# Altium PCB FlatSat Half 2.PcbDoc (part 9 of 9)
Units mil, origin at the board's own origin, x right, y up, seen from the top; angles counter-clockwise.
Board outline 4682 x 11604 mil, 4 copper layers (Top Layer, STR GND 1, STR GND 2, Bottom Layer), stack 33.434 mil thick; 231 components, 255 nets, 990 pads, 1104 vias.
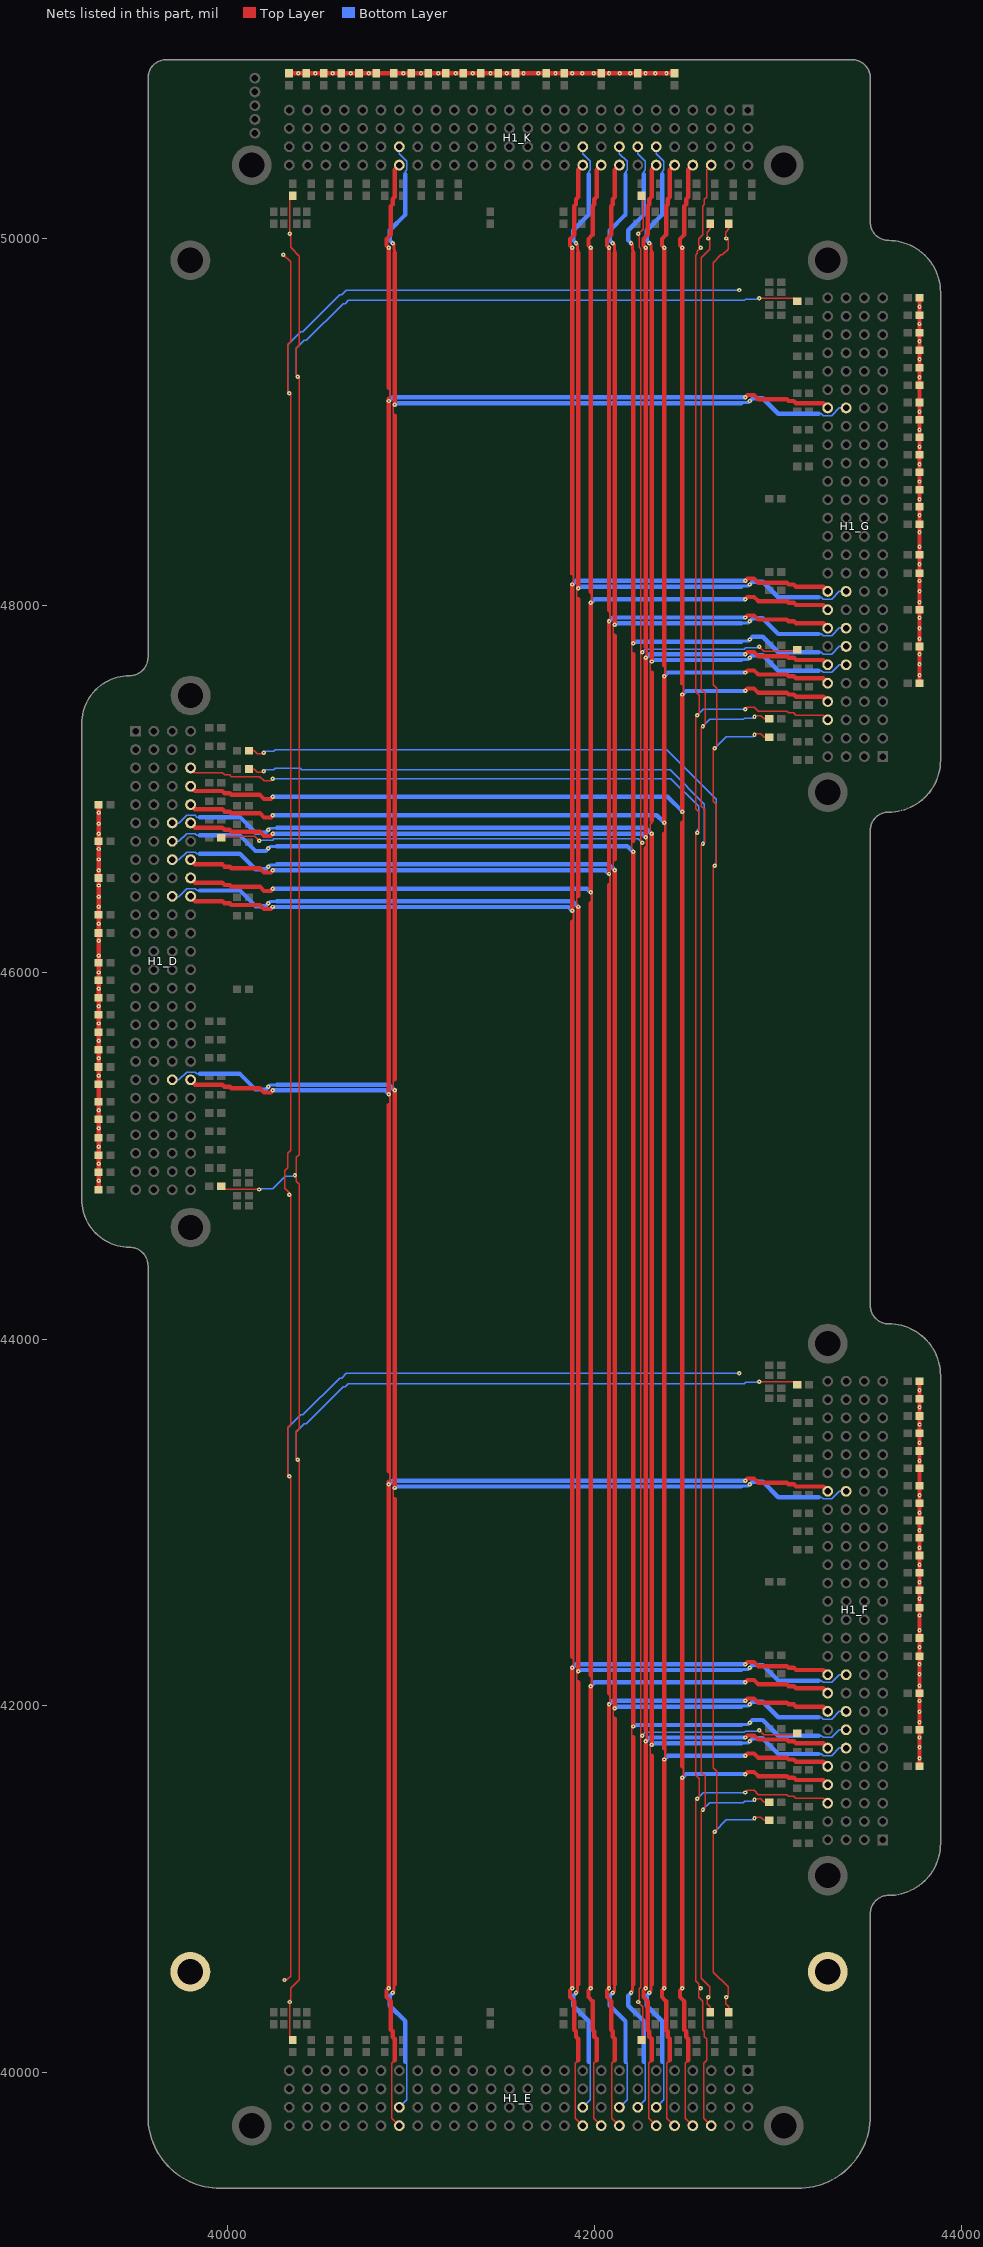
[diagram p11: the nets of this part, all layers, seen from the top]

## Via types
v1: diameter 24, hole 8, Top Layer to Bottom Layer, 1104 vias

## Nets (pads, with @x,y where several pads share a name; then routed paths per layer and width w, separated by ;. In a path a pad name is that pad's centre, name@x,y a point inside that pad or via, vN(x,y) a via of type N, cw(c..) or ccw(c..) an arc to the next point about the centre after c; other vN are vias at no path point) (continued)
RESERVED_8: H1_D.58 H1_E.58 H1_F.58 H1_G.58 H1_K.58 | length 15369.5
  Top Layer w8: H1_D.58@39798,47112 39823,47087 39972,47087 39984,47075 40012.6,47075 40021.6,47066 40177,47066 40200,47043 40236.25,47043 v1@40248.13,47054.87 ; v1(42580,40461) v1@42579.87,40461.13 ; v1(42580,49949) v1@42579.87,49948.87 ; H1_E.58@42637,39712 42595.47,39753.53 42595.47,40052.47 42612,40069 42612,40185 42600,40197 42600,40225.6 42591,40234.6 42591,40390 42568,40413 42568,40449.25 v1@42579.87,40461.13 ; H1_K.58@42637,50399 42612,50374 42612,50225 42600,50213 42600,50184.4 42591,50175.4 42591,50020 42568,49997 42568,49960.75 v1@42579.87,49948.87 ; v1@42822.87,41528.13 42834.75,41540 42871,41540 42894,41517 43049.4,41517 43058.4,41508 43087,41508 43099,41496 43248,41496 H1_F.58@43273,41471 ; v1@42822.87,47433.13 42834.75,47445 42871,47445 42894,47422 43049.4,47422 43058.4,47413 43087,47413 43099,47401 43248,47401 H1_G.58@43273,47376 ; v1@42579.87,40461.13 42568,40473 42568,40484.63 42563.31,40489.31 42563.31,40490.31 42552,40501.63 42552,41487 v1(42560,41495) 42571.25,41506.25 42571.25,41602.94 42552,41622.2 42552,46752 v1(42560,46760) 42569,46769 42569,46873 42552,46890 42552,47392 v1(42560,47400) 42571.25,47411.25 42571.25,47507.94 42552,47527.2 42552,49908.37 42561,49917.37 42561,49930 v1@42579.87,49948.87
  Bottom Layer w8: v1(40248,47055) 42415.88,47055 42568,46902.88 42568,46780.06 42560,46772.06 v1@42560,46761 ; v1(42560,41495) 42593,41528 v1(42823,41528) ; v1(42560,47400) 42593,47433 v1(42823,47433)
SEP_SW1: H1_D.91 H1_E.91 H1_F.91 H1_G.91 H1_K.91 | length 17183.1
  Top Layer w8: 40912,43128 40904,43136 40904,43180 v1(40912,43188) ; v1(40912,45355) 40904,45363 40904,45407 40912,45415 ; 40912,49033 40904,49041 40904,49085 v1(40912,49093)
  Top Layer w16: v1(40900,40436) 40909,40445 40909,40475 40912,40478 40912,40483 ; v1(40900,49974) 40909,49965 40909,49935 40912,49932 40912,49927
  Top Layer w24: 40912,40483 40912,43128 ; v1(40912,43188) v1(40912,45355) ; 40912,45415 40912,49033 ; v1(40912,49093) 40912,49922
  Bottom Layer w8: H1_D.91@39698,45412 39735,45412 39777.53,45454.53 39823.47,45454.53 39833,45445 39848,45445 ; H1_E.91@40937,39812 40978.53,39853.53 40978.53,40052.47 40970,40061 ; H1_K.91@40937,50499 40937,50462 40978.53,50420.47 40978.53,50372.53 40970,50364 40970,50349 ; 43223,43138 43238,43138 43247.53,43128.47 43293.47,43128.47 43336,43171 H1_F.91@43373,43171 ; 43223,49043 43238,49043 43247.53,49033.47 43293.47,49033.47 43336,49076 H1_G.91@43373,49076
  Bottom Layer w16: v1(40223,45375) 40232,45384 40262,45384 ; 40265,45387 40270,45387 ; 42801,43196 42806,43196 ; 42801,49101 42806,49101 ; 42809,43199 42839,43199 v1(42848,43208) ; 42809,49104 42839,49104 v1(42848,49113)
  Bottom Layer w22: 40208,45360 v1(40223,45375) ; 40885,40421 v1(40900,40436) ; 40885,49989 v1(40900,49974) ; v1(42848,43208) 42863,43223 ; v1(42848,49113) 42863,49128
  Bottom Layer w24: 39848,45445 40068,45445 40153,45360 40208,45360 ; 40270,45387 40880,45387 v1(40912,45355) ; 40885,40421 40885,40366 40970,40281 40970,40061 ; 40885,49989 40885,50044 40970,50129 40970,50349 ; v1(40912,43188) 40920,43196 42801,43196 ; v1(40912,49093) 40920,49101 42801,49101 ; 42863,43223 42918,43223 43003,43138 43223,43138 ; 42863,49128 42918,49128 43003,49043 43223,49043
SEP_SW2: H1_D.92 H1_E.92 H1_F.92 H1_G.92 H1_K.92 | length 16761
  Top Layer w8: 40912,40069 40895.47,40052.47 40895.47,39753.53 H1_E.92@40937,39712
  Top Layer w12: 40880,43221 40886,43227 40886,43274 40880,43280 ; 40880,45275 40886,45281 40886,45329 v1(40880,45335) ; 40880,49126 40886,49132 40886,49179 40880,49185
  Top Layer w22: 40177,45366 40200,45343 40236.25,45343 v1@40248.13,45354.87 ; v1@40879.87,40461.13 40868,40449.25 40868,40413 40891,40390 ; v1@40879.87,49948.87 40868,49960.75 40868,49997 40891,50020 ; v1@42822.87,43228.13 42834.75,43240 42871,43240 42894,43217 ; v1@42822.87,49133.13 42834.75,49145 42871,49145 42894,49122
  Top Layer w24: H1_D.92@39798,45412 39823,45387 39972,45387 39984,45375 40012.6,45375 40021.6,45366 40177,45366 ; v1(40880,40461) v1(40880,43208) 40880,43221 ; 40880,43280 40880,45275 ; v1@40880,45345.54 v1(40880,49113) 40880,49126 ; 40880,49185 v1@40880,49944 ; 40891,40390 40891,40234.6 40900,40225.6 40900,40197 40912,40185 40912,40069 ; 40891,50020 40891,50175.4 40900,50184.4 40900,50213 40912,50225 40912,50374 H1_K.92@40937,50399 ; 42894,43217 43049.4,43217 43058.4,43208 43087,43208 43099,43196 43248,43196 H1_F.92@43273,43171 ; 42894,49122 43049.4,49122 43058.4,49113 43087,49113 43099,49101 43248,49101 H1_G.92@43273,49076
  Bottom Layer w24: v1(40248,45355) 40860,45355 v1(40880,45335) ; v1(40880,43208) 40900,43228 v1(42823,43228) ; v1(40880,49113) 40900,49133 v1(42823,49133)
  other v1: 40880,49949
SPI_CLK: R51_A.1 R51_D.1 R51_E.1 R51_F.1 R51_G.1 | length 16569.5
  Top Layer w8: R51_D.1@39965.48,44832 39982.48,44815 v1(40173,44815) ; R51_E.1@40357,40178.48 40340,40195.48 v1(40340,40386) 40340,40395 40345,40400 40345,40460 40392,40507 40392,43341 v1(40384,43341) ; R51_A.1@40357,50231.52 40340,50214.52 v1(40340,50024) 40340,50015 40345,50010 40345,49950 40392,49903 40392,49416.88 40376,49400.88 v1@40376,49254 ; v1(40368,44893) v1@40376,44893 ; v1@40376,43349 40376,43495.88 40392,43511.88 40392,44843.06 40376,44859.06 v1@40376,44893 ; v1(40384,49246) 40392,49246 40392,45005.54 40376,44989.54 v1@40376,44893 ; v1(42898,43768) 43088.52,43768 R51_F.1@43105.52,43751 ; v1(42898,49673) 43088.52,49673 R51_G.1@43105.52,49656
  Bottom Layer w8: v1(40173,44815) 40182,44815 40187,44820 40246.94,44820 40313.94,44887 v1@40360,44887 ; v1@40376,43348 40376,43495.12 40418.88,43538 40429.88,43538 40630.88,43739 40641.82,43739 40658.82,43756 42818.22,43756 42825.22,43763 42884,43763 42889,43768 v1(42898,43768) ; v1@40376,49253 40376,49400.12 40418.88,49443 40429.88,49443 40630.88,49644 40641.82,49644 40658.82,49661 42818.22,49661 42825.22,49668 42884,49668 42889,49673 v1(42898,49673)
STR_GND_A: J40_A.2 J40_D.2 J40_F.2 J40_G.2 J42_A.2 J42_D.2 J42_F.2 J42_G.2 J44_A.2 J44_D.2 J44_F.2 J44_G.2 J45_A.2 J45_D.2 J45_F.2 J45_G.2 J46_A.2 J46_D.2 J46_F.2 J46_G.2 J48_A.2 J48_D.2 J48_F.2 J48_G.2 J50_A.2 J50_D.2 J50_F.2 J50_G.2 J52_A.2 J52_D.2 J52_F.2 J52_G.2 J61_A.1 J61_D.1 J61_F.1 J61_G.1 J66_A.2 J66_D.2 J66_F.2 J66_G.2 J69_A.1 J69_D.1 J69_F.1 J69_G.1 J71_A.1 J71_D.1 J71_F.1 J71_G.1 J74_A.2 J74_D.2 J74_F.2 J74_G.2 J81_A.1 J81_D.1 J81_F.1 J81_G.1 J82_A.2 J82_D.2 J82_F.2 J82_G.2 J83_A.1 J83_D.1 J83_F.1 J83_G.1 J84_A.2 J84_D.2 J84_F.2 J84_G.2 J99_A.1 J99_D.1 J99_F.1 J99_G.1 J100_A.2 J100_D.2 J100_F.2 J100_G.2 pad.7@39798,40551 pad.7@43272,40551 | length 23626.5
  Top Layer w8: v1(40304,49911) 40344,49871 40344,49436.76 40328,49420.76 40328,49164 v1(40336,49156) 40344,49148 40344,45027.63 40328,45011.63 40328,44932.2 40312,44916.2 40312,44822 v1@40341.5,44792.5 ; v1(40311,40506) 40311.94,40506.94 40324.06,40506.94 40344,40526.88 40344,43251 v1(40336,43251) 40328,43251 40328,43515.76 40344,43531.76 40344,44787 v1(40336,44787) ; J52_A.2@40339,50899.48 J52_A.2@40339,50905
  Top Layer w24: J48_D.2@39295.52,45098 J48_D.2@39297.52,45096 ; J52_D.2@39297.52,44813 v1(39297.52,44862) J50_D.2@39297.52,44908 v1(39297.52,44955) J100_D.2@39297.52,45002.66 v1(39297.52,45049) J48_D.2@39297.52,45096 ; J61_D.1@39297.52,46913 v1(39297.52,46869) v1(39297.52,46809) v1(39297.52,46755) J66_D.2@39297.52,46713 v1(39297.52,46671) v1(39297.52,46614) v1(39297.52,46556) J69_D.1@39297.52,46513 v1(39297.52,46472) v1(39297.52,46411) v1(39297.52,46356) J71_D.1@39297.52,46313 v1(39297.52,46264) J74_D.2@39297.52,46213 v1(39297.52,46170) v1(39297.52,46090) J81_D.1@39297.52,46050.56 v1(39297.52,45998) J82_D.2@39297.52,45955.9 v1(39297.52,45910) J83_D.1@39297.52,45861.24 v1(39297.52,45813.92) J84_D.2@39297.52,45766.59 v1(39297.52,45720) J40_D.2@39297.52,45671.93 v1(39297.52,45625) J42_D.2@39297.52,45577.28 v1(39297.52,45531) J44_D.2@39297.52,45482.62 v1(39297.52,45434) J45_D.2@39297.52,45387.97 J46_D.2@39297.52,45293.31 v1(39297.52,45246) J99_D.1@39297.52,45198.66 v1(39297.52,45148) J48_D.2@39297.52,45097.31 J48_D.2@39297.52,45096 ; J52_A.2@40337,50899.48 40339,50899.48 v1(40386,50899.48) J50_A.2@40430.34,50899.48 v1(40479,50899.48) J100_A.2@40525,50899.48 v1(40573,50899.48) J48_A.2@40620,50899.48 ; J48_A.2@40622,50897.48 J48_A.2@40620,50899.48 ; J61_A.1@42437,50899.48 v1(42393,50899.48) v1(42333,50899.48) v1(42279,50899.48) J66_A.2@42237,50899.48 v1(42195,50899.48) v1(42138,50899.48) v1(42080,50899.48) J69_A.1@42037,50899.48 v1(41996,50899.48) v1(41935,50899.48) v1(41880,50899.48) J71_A.1@41837,50899.48 v1(41788,50899.48) J74_A.2@41737,50899.48 v1(41694,50899.48) v1(41614,50899.48) J81_A.1@41569.97,50899.48 v1(41522,50899.48) J82_A.2@41475.31,50899.48 v1(41434,50899.48) J83_A.1@41380.66,50899.48 v1(41337.92,50899.48) J84_A.2@41286,50899.48 v1(41244,50899.48) J40_A.2@41190.31,50899.48 v1(41149,50899.48) J42_A.2@41095.66,50899.48 v1(41055,50899.48) J44_A.2@41001,50899.48 v1(40958,50899.48) J45_A.2@40906.31,50899.48 J46_A.2@40811.66,50899.48 v1(40770,50899.48) J99_A.1@40717,50899.48 v1(40672,50899.48) J48_A.2@40620,50899.48 ; J48_F.2@43770.48,43485 J48_F.2@43772.48,43487 ; J48_G.2@43770.48,49390 J48_G.2@43772.48,49392 ; J61_F.1@43772.48,41670 v1(43772.48,41714) v1(43772.48,41774) v1(43772.48,41828) J66_F.2@43772.48,41870 v1(43772.48,41912) v1(43772.48,41969) v1(43772.48,42027) J69_F.1@43772.48,42070 v1(43772.48,42111) v1(43772.48,42172) v1(43772.48,42227) J71_F.1@43772.48,42270 v1(43772.48,42319) J74_F.2@43772.48,42370 v1(43772.48,42413) v1(43772.48,42493) J81_F.1@43772.48,42536.03 v1(43772.48,42585) J82_F.2@43772.48,42630.69 v1(43772.48,42673) J83_F.1@43772.48,42725.34 v1(43772.48,42769.08) J84_F.2@43772.48,42820 v1(43772.48,42863) J40_F.2@43772.48,42916.07 v1(43772.48,42958) J42_F.2@43772.48,43010.72 v1(43772.48,43052) J44_F.2@43772.48,43105.38 v1(43772.48,43149) J45_F.2@43772.48,43200.03 J46_F.2@43772.48,43294.69 v1(43772.48,43337) J99_F.1@43772.48,43389.34 v1(43772.48,43435) J48_F.2@43772.48,43485.69 J48_F.2@43772.48,43487 ; J52_F.2@43772.48,43770 v1(43772.48,43721) J50_F.2@43772.48,43675 v1(43772.48,43628) J100_F.2@43772.48,43580.34 v1(43772.48,43534) J48_F.2@43772.48,43487 ; J61_G.1@43772.48,47575 v1(43772.48,47619) v1(43772.48,47679) v1(43772.48,47733) J66_G.2@43772.48,47775 v1(43772.48,47817) v1(43772.48,47874) v1(43772.48,47932) J69_G.1@43772.48,47975 v1(43772.48,48016) v1(43772.48,48077) v1(43772.48,48132) J71_G.1@43772.48,48175 v1(43772.48,48224) J74_G.2@43772.48,48275 v1(43772.48,48318) v1(43772.48,48398) J81_G.1@43772.48,48441.03 v1(43772.48,48490) J82_G.2@43772.48,48535.69 v1(43772.48,48578) J83_G.1@43772.48,48630.34 v1(43772.48,48674.08) J84_G.2@43772.48,48725 v1(43772.48,48768) J40_G.2@43772.48,48821.07 v1(43772.48,48863) J42_G.2@43772.48,48915.72 v1(43772.48,48957) J44_G.2@43772.48,49010.38 v1(43772.48,49054) J45_G.2@43772.48,49105.03 J46_G.2@43772.48,49199.69 v1(43772.48,49242) J99_G.1@43772.48,49294.34 v1(43772.48,49340) J48_G.2@43772.48,49390.69 J48_G.2@43772.48,49392 ; J52_G.2@43772.48,49675 v1(43772.48,49626) J50_G.2@43772.48,49580 v1(43772.48,49533) J100_G.2@43772.48,49485.34 v1(43772.48,49439) J48_G.2@43772.48,49392
  Bottom Layer w8: v1(40336,43251) 40328,43259 40328,43515 40399,43586 40410,43586 40611,43787 40621.94,43787 40647.94,43813 v1(42789,43813) ; v1(40336,49156) 40328,49164 40328,49420 40399,49491 40410,49491 40611,49692 40621.94,49692 40647.94,49718 v1(42789,49718)
SW1_12V_SBAND: H1_D.60 H1_E.60 H1_F.60 H1_G.60 H1_K.60 | length 15203.8
  Top Layer w8: 42512,40069 42495.47,40052.47 42495.47,39753.53 H1_E.60@42537,39712
  Top Layer w12: v1@42476,41608 42486,41618 42486,41666 42480,41672 ; v1@42476,47513 42486,47523 42486,47571 42480,47577 ; 42480,46815 42486,46821 42486,46869 v1(42480,46875)
  Top Layer w22: 40177,46966 40200,46943 40236.25,46943 v1@40248.13,46954.87 ; v1@42479.87,40461.13 42468,40449.25 42468,40413 42491,40390 ; v1@42479.87,49948.87 42468,49960.75 42468,49997 42491,50020 ; v1@42822.87,41628.13 42834.75,41640 42871,41640 42894,41617 ; v1@42822.87,47533.13 42834.75,47545 42871,47545 42894,47522
  Top Layer w24: H1_D.60@39798,47012 39823,46987 39972,46987 39984,46975 40012.6,46975 40021.6,46966 40177,46966 ; v1(42480,40461) v1(42480,41608) ; 42480,41672 42480,46815 ; v1(42480,46875) v1(42480,47513) ; 42480,47573 42480,47577 v1@42480,49944 ; 42491,40390 42491,40234.6 42500,40225.6 42500,40197 42512,40185 42512,40069 ; 42491,50020 42491,50175.4 42500,50184.4 42500,50213 42512,50225 42512,50374 H1_K.60@42537,50399 ; 42894,41617 43049.4,41617 43058.4,41608 43087,41608 43099,41596 43248,41596 H1_F.60@43273,41571 ; 42894,47522 43049.4,47522 43058.4,47513 43087,47513 43099,47501 43248,47501 H1_G.60@43273,47476
  Bottom Layer w22: v1(42480,41608) 42500,41628 v1(42823,41628) ; v1(42480,47513) 42500,47533 v1(42823,47533)
  Bottom Layer w24: v1(40248,46955) 42400,46955 v1(42480,46875)
  other v1: 42480,49949
SW2_12V: H1_D.62 H1_E.62 H1_F.62 H1_G.62 H1_K.62 | length 15279.9
  Top Layer w8: 42412,40069 42395.47,40052.47 42395.47,39753.53 H1_E.62@42437,39712
  Top Layer w12: v1(42380,41708) 42386,41714 42386,41762 42380,41768 ; 42380,46755 42386,46761 42386,46809 v1(42380,46815) ; v1(42380,47613) 42386,47619 42386,47667 42380,47673
  Top Layer w22: 40177,46866 40200,46843 40236.25,46843 v1@40248.13,46854.87 ; v1@42379.87,40461.13 42368,40449.25 42368,40413 42391,40390 ; v1@42379.87,49948.87 42368,49960.75 42368,49997 42391,50020 ; v1@42822.87,41728.13 42834.75,41740 42871,41740 42894,41717 ; v1@42822.87,47633.13 42834.75,47645 42871,47645 42894,47622
  Top Layer w24: H1_D.62@39798,46912 39823,46887 39972,46887 39984,46875 40012.6,46875 40021.6,46866 40177,46866 ; v1(42380,40461) v1(42380,41708) ; 42380,41768 42380,46755 ; v1(42380,46815) v1(42380,47613) ; 42380,47673 v1@42380,49944 ; 42391,40390 42391,40234.6 42400,40225.6 42400,40197 42412,40185 42412,40069 ; 42391,50020 42391,50175.4 42400,50184.4 42400,50213 42412,50225 42412,50374 H1_K.62@42437,50399 ; 42894,41717 43049.4,41717 43058.4,41708 43087,41708 43099,41696 43248,41696 H1_F.62@43273,41671 ; 42894,47622 43049.4,47622 43058.4,47613 43087,47613 43099,47601 43248,47601 H1_G.62@43273,47576
  Bottom Layer w24: v1(40248,46855) 42340,46855 v1(42380,46815) ; v1(42380,41708) 42400,41728 v1(42823,41728) ; v1(42380,47613) 42400,47633 v1(42823,47633)
  other v1: 42380,49949
SW3_BAT_2SMARD: H1_D.63 H1_E.63 H1_F.63 H1_G.63 H1_K.63 | length 15768.6
  Top Layer w8: 42312,41728 42304,41736 42304,41780 v1(42312,41788) ; v1(42312,46754) 42304,46762 42304,46807 42312,46815 ; 42312,47633 42304,47641 42304,47685 v1(42312,47693)
  Top Layer w16: v1(42300,40436) 42309,40445 42309,40475 42312,40478 42312,40483 ; v1(42300,49974) 42309,49965 42309,49935 42312,49932 42312,49927
  Top Layer w24: 42312,40483 42312,41728 ; v1(42312,41788) v1(42312,46754) ; 42312,46825 42312,47633 ; v1(42312,47693) 42312,49922
  Bottom Layer w8: H1_D.63@39698,46812 39735,46812 39777.53,46854.53 39823.47,46854.53 39833,46845 39848,46845 ; H1_E.63@42337,39812 42378.53,39853.53 42378.53,40052.47 42370,40061 ; H1_K.63@42337,50499 42337,50462 42378.53,50420.47 42378.53,50372.53 42370,50364 42370,50349 ; 43223,41738 43238,41738 43247.53,41728.47 43293.47,41728.47 43336,41771 H1_F.63@43373,41771 ; 43223,47643 43238,47643 43247.53,47633.47 43293.47,47633.47 43336,47676 H1_G.63@43373,47676
  Bottom Layer w16: v1(40223,46775) 40232,46784 40262,46784 ; 42801,41796 42806,41796 ; 42801,47701 42806,47701 ; 42809,41799 42839,41799 v1(42848,41808) ; 42809,47704 42839,47704 v1(42848,47713)
  Bottom Layer w22: 40208,46760 v1(40223,46775) ; 42285,40421 v1(42300,40436) ; 42285,49989 v1(42300,49974) ; v1(42848,41808) 42863,41823 ; v1(42848,47713) 42863,47728
  Bottom Layer w24: 39848,46845 40068,46845 40153,46760 40208,46760 ; 40270,46787 42279,46787 v1(42312,46754) ; 42285,40421 42285,40366 42370,40281 42370,40061 ; 42285,49989 42285,50044 42370,50129 42370,50349 ; v1(42312,41788) 42320,41796 42801,41796 ; v1(42312,47693) 42320,47701 42801,47701 ; 42863,41823 42918,41823 43003,41738 43223,41738 ; 42863,47728 42918,47728 43003,47643 43223,47643
SW4_BAT_2SMARD: H1_D.64 H1_E.64 H1_F.64 H1_G.64 H1_K.64 | length 15322.8
  Top Layer w8: 42312,40069 42295.47,40052.47 42295.47,39753.53 H1_E.64@42337,39712
  Top Layer w12: v1@42279,41808 42286,41815 42286,41862 42280,41868 ; v1@42279,47713 42286,47720 42286,47767 42280,47773 ; 42280,46675 42286,46681 42286,46729 v1(42280,46735)
  Top Layer w22: 40177,46766 40200,46743 40236.25,46743 v1@40248.13,46754.87 ; v1@42279.87,40461.13 42268,40449.25 42268,40413 42291,40390 ; v1@42279.87,49948.87 42268,49960.75 42268,49997 42291,50020 ; 42834.75,41840 42871,41840 42894,41817 ; 42834.75,47745 42871,47745 42894,47722
  Top Layer w24: H1_D.64@39798,46812 39823,46787 39972,46787 39984,46775 40012.6,46775 40021.6,46766 40177,46766 ; v1(42280,40461) 42280,41792 ; 42280,41868 42280,46675 ; v1(42280,46735) v1(42280,47713) ; 42280,47773 v1@42280,49944 ; 42291,40390 42291,40234.6 42300,40225.6 42300,40197 42312,40185 42312,40069 ; 42291,50020 42291,50175.4 42300,50184.4 42300,50213 42312,50225 42312,50374 H1_K.64@42337,50399 ; 42894,41817 43049.4,41817 43058.4,41808 43087,41808 43099,41796 43248,41796 H1_F.64@43273,41771 ; 42894,47722 43049.4,47722 43058.4,47713 43087,47713 43099,47701 43248,47701 H1_G.64@43273,47676
  Bottom Layer w24: v1(40248,46755) 42260,46755 v1(42280,46735) ; v1(42280,41808) 42300,41828 v1(42823,41828) ; v1(42280,47713) 42300,47733 v1(42823,47733)
  other v1: 42280,49949
SW5_5V_PL: H1_D.65 H1_E.65 H1_F.65 H1_G.65 H1_K.65 | length 15883.1
  Top Layer w8: 42212,41829 42204,41837 42204,41880 v1(42212,41888) ; v1(42212,46655) 42204,46663 42204,46708 42212,46716 ; 42212,47734 42204,47742 42204,47785 v1(42212,47793)
  Top Layer w16: v1(42200,40436) 42209,40445 42209,40475 42212,40478 42212,40483 ; v1(42200,49974) 42209,49965 42209,49935 42212,49932 42212,49927
  Top Layer w24: 42212,40483 42212,41829 ; v1(42212,41888) v1(42212,46655) ; 42212,46716 42212,47734 ; v1(42212,47793) 42212,49922
  Bottom Layer w8: H1_D.65@39698,46712 39735,46712 39777.53,46754.53 39823.47,46754.53 39833,46745 39848,46745 ; H1_E.65@42237,39812 42278.53,39853.53 42278.53,40052.47 42270,40061 ; H1_K.65@42237,50499 42237,50462 42278.53,50420.47 42278.53,50372.53 42270,50364 42270,50349 ; 43223,41838 43238,41838 43247.53,41828.47 43293.47,41828.47 43336,41871 H1_F.65@43373,41871 ; 43223,47743 43238,47743 43247.53,47733.47 43293.47,47733.47 43336,47776 H1_G.65@43373,47776
  Bottom Layer w16: v1(40223,46675) 40232,46684 40262,46684 ; 40265,46687 40270,46687 ; 42801,41896 42806,41896 ; 42801,47801 42806,47801 ; 42809,41899 42839,41899 v1(42848,41908) ; 42809,47804 42839,47804 v1(42848,47813)
  Bottom Layer w22: 40208,46660 v1(40223,46675) ; 42185,40421 v1(42200,40436) ; 42185,49989 v1(42200,49974) ; v1(42848,41908) 42863,41923 ; v1(42848,47813) 42863,47828
  Bottom Layer w24: 39848,46745 40068,46745 40153,46660 40208,46660 ; 40270,46687 42180,46687 v1(42212,46655) ; 42185,40421 42185,40366 42270,40281 42270,40061 ; 42185,49989 42185,50044 42270,50129 42270,50349 ; v1(42212,41888) 42220,41896 42801,41896 ; v1(42212,47793) 42220,47801 42801,47801 ; 42863,41923 42918,41923 43003,41838 43223,41838 ; 42863,47828 42918,47828 43003,47743 43223,47743
SW6_5V#1_ADCS: H1_D.67 H1_E.67 H1_F.67 H1_G.67 H1_K.67 | length 15982.1
  Top Layer w8: 42112,41929 42104,41937 42104,41980 v1(42112,41988) ; v1(42112,46555) 42104,46563 42104,46608 42112,46616 ; 42112,47834 42104,47842 42104,47885 v1(42112,47893)
  Top Layer w16: v1(42100,40436) 42109,40445 42109,40475 42112,40478 42112,40483 ; v1(42100,49974) 42109,49965 42109,49935 42112,49932 42112,49927
  Top Layer w24: 42112,40483 42112,41929 ; v1(42112,41988) v1(42112,46555) ; 42112,46616 42112,47833 ; v1(42112,47893) 42112,49922
  Bottom Layer w8: H1_D.67@39698,46612 39735,46612 39777.53,46654.53 39823.47,46654.53 39833,46645 39848,46645 ; H1_E.67@42137,39812 42178.53,39853.53 42178.53,40052.47 42170,40061 ; H1_K.67@42137,50499 42137,50462 42178.53,50420.47 42178.53,50372.53 42170,50364 42170,50349 ; 43223,41938 43238,41938 43247.53,41928.47 43293.47,41928.47 43336,41971 H1_F.67@43373,41971 ; 43223,47843 43238,47843 43247.53,47833.47 43293.47,47833.47 43336,47876 H1_G.67@43373,47876
  Bottom Layer w16: v1(40223,46575) 40232,46584 40262,46584 ; 40265,46587 40270,46587 ; 42801,41996 42806,41996 ; 42801,47901 42806,47901 ; 42809,41999 42839,41999 v1(42848,42008) ; 42809,47904 42839,47904 v1(42848,47913)
  Bottom Layer w22: 40208,46560 v1(40223,46575) ; 42085,40421 v1(42100,40436) ; 42085,49989 v1(42100,49974) ; v1(42848,42008) 42863,42023 ; v1(42848,47913) 42863,47928
  Bottom Layer w24: 39848,46645 40068,46645 40153,46560 40208,46560 ; 40270,46587 42080,46587 v1(42112,46555) ; 42085,40421 42085,40366 42170,40281 42170,40061 ; 42085,49989 42085,50044 42170,50129 42170,50349 ; v1(42112,41988) 42120,41996 42801,41996 ; v1(42112,47893) 42120,47901 42801,47901 ; 42863,42023 42918,42023 43003,41938 43223,41938 ; 42863,47928 42918,47928 43003,47843 43223,47843
SW7_5V#2_ADCS: H1_D.68 H1_E.68 H1_F.68 H1_G.68 H1_K.68 | length 15571.6
  Top Layer w8: 42112,40069 42095.47,40052.47 42095.47,39753.53 H1_E.68@42137,39712
  Top Layer w12: v1(42080,42008) 42086,42014 42086,42062 42080,42068 ; 42080,46475 42086,46481 42086,46529 v1(42080,46535) ; v1(42080,47913) 42086,47919 42086,47967 42080,47973
  Top Layer w22: 40177,46566 40200,46543 40236.25,46543 v1@40248.13,46554.87 ; v1@42079.87,40461.13 42068,40449.25 42068,40413 42091,40390 ; v1@42079.87,49948.87 42068,49960.75 42068,49997 42091,50020 ; v1@42822.87,42028.13 42834.75,42040 42871,42040 42894,42017 ; v1@42822.87,47933.13 42834.75,47945 42871,47945 42894,47922
  Top Layer w24: H1_D.68@39798,46612 39823,46587 39972,46587 39984,46575 40012.6,46575 40021.6,46566 40177,46566 ; v1(42080,40461) v1(42080,42008) ; 42080,42068 42080,46475 ; v1(42080,46535) v1(42080,47913) ; 42080,47973 v1@42080,49944 ; 42091,40390 42091,40234.6 42100,40225.6 42100,40197 42112,40185 42112,40069 ; 42091,50020 42091,50175.4 42100,50184.4 42100,50213 42112,50225 42112,50374 H1_K.68@42137,50399 ; 42894,42017 43049.4,42017 43058.4,42008 43087,42008 43099,41996 43248,41996 H1_F.68@43273,41971 ; 42894,47922 43049.4,47922 43058.4,47913 43087,47913 43099,47901 43248,47901 H1_G.68@43273,47876
  Bottom Layer w24: v1(40248,46555) 42060,46555 v1(42080,46535) ; v1(42080,42008) 42100,42028 v1(42823,42028) ; v1(42080,47913) 42100,47933 v1(42823,47933)
  other v1: 42080,49949
SW8_3V3_THM: H1_D.70 H1_E.70 H1_F.70 H1_G.70 H1_K.70 | length 15671.5
  Top Layer w8: 42012,40069 41995.47,40052.47 41995.47,39753.53 H1_E.70@42037,39712
  Top Layer w12: v1(41980,42108) 41986,42114 41986,42162 41980,42168 ; 41980,46375 41986,46381 41986,46429 v1(41980,46435) ; v1(41980,48013) 41986,48019 41986,48067 41980,48073
  Top Layer w22: 40177,46466 40200,46443 40236.25,46443 v1@40248.13,46454.87 ; v1@41979.87,40461.13 41968,40449.25 41968,40413 41991,40390 ; v1@41979.87,49948.87 41968,49960.75 41968,49997 41991,50020 ; v1@42822.87,42128.13 42834.75,42140 42871,42140 42894,42117 ; v1@42822.87,48033.13 42834.75,48045 42871,48045 42894,48022
  Top Layer w24: H1_D.70@39798,46512 39823,46487 39972,46487 39984,46475 40012.6,46475 40021.6,46466 40177,46466 ; v1@41979.87,40461.13 41980,40461.25 v1(41980,42108) ; 41980,42168 41980,46375 ; v1(41980,46435) v1(41980,48013) ; 41980,48073 v1@41980,49944 ; 41991,40390 41991,40234.6 42000,40225.6 42000,40197 42012,40185 42012,40069 ; 41991,50020 41991,50175.4 42000,50184.4 42000,50213 42012,50225 42012,50374 H1_K.70@42037,50399 ; 42894,42117 43049.4,42117 43058.4,42108 43087,42108 43099,42096 43248,42096 H1_F.70@43273,42071 ; 42894,48022 43049.4,48022 43058.4,48013 43087,48013 43099,48001 43248,48001 H1_G.70@43273,47976
  Bottom Layer w24: v1(40248,46455) 41960,46455 v1(41980,46435) ; v1(41980,42108) 42000,42128 v1(42823,42128) ; v1(41980,48013) 42000,48033 v1(42823,48033)
  other v1: 41980,40461 41980,49949
SW9_3V3#1_ADCS: H1_D.71 H1_E.71 H1_F.71 H1_G.71 H1_K.71 | length 16183.1
  Top Layer w8: 41912,42128 41904,42136 41904,42180 v1(41912,42188) ; v1(41912,46355) 41904,46363 41904,46407 41912,46415 ; 41912,48033 41904,48041 41904,48085 v1(41912,48093)
  Top Layer w16: v1(41900,40436) 41909,40445 41909,40475 41912,40478 41912,40483 ; v1(41900,49974) 41909,49965 41909,49935 41912,49932 41912,49927
  Top Layer w24: 41912,40483 41912,42128 ; v1(41912,42188) v1(41912,46355) ; 41912,46415 41912,48033 ; v1(41912,48093) 41912,49922
  Bottom Layer w8: H1_D.71@39698,46412 39735,46412 39777.53,46454.53 39823.47,46454.53 39833,46445 39848,46445 ; H1_E.71@41937,39812 41978.53,39853.53 41978.53,40052.47 41970,40061 ; H1_K.71@41937,50499 41937,50462 41978.53,50420.47 41978.53,50372.53 41970,50364 41970,50349 ; 43223,42138 43238,42138 43247.53,42128.47 43293.47,42128.47 43336,42171 H1_F.71@43373,42171 ; 43223,48043 43238,48043 43247.53,48033.47 43293.47,48033.47 43336,48076 H1_G.71@43373,48076
  Bottom Layer w16: v1(40223,46375) 40232,46384 40262,46384 ; 40265,46387 40270,46387 ; 42801,42196 42806,42196 ; 42801,48101 42806,48101 ; 42809,42199 42839,42199 v1(42848,42208) ; 42809,48104 42839,48104 v1(42848,48113)
  Bottom Layer w22: 40208,46360 v1(40223,46375) ; 41885,40421 v1(41900,40436) ; 41885,49989 v1(41900,49974) ; v1(42848,42208) 42863,42223 ; v1(42848,48113) 42863,48128
  Bottom Layer w24: 39848,46445 40068,46445 40153,46360 40208,46360 ; 40270,46387 41880,46387 v1(41912,46355) ; 41885,40421 41885,40366 41970,40281 41970,40061 ; 41885,49989 41885,50044 41970,50129 41970,50349 ; v1(41912,42188) 41920,42196 42801,42196 ; v1(41912,48093) 41920,48101 42801,48101 ; 42863,42223 42918,42223 43003,42138 43223,42138 ; 42863,48128 42918,48128 43003,48043 43223,48043
SW10_3V3#2_ADCS: H1_D.72 H1_E.72 H1_F.72 H1_G.72 H1_K.72 | length 15771.6
  Top Layer w8: 41912,40069 41895.47,40052.47 41895.47,39753.53 H1_E.72@41937,39712
  Top Layer w12: v1(41880,42208) 41886,42214 41886,42262 41880,42268 ; 41880,46275 41886,46281 41886,46329 v1(41880,46335) ; v1(41880,48113) 41886,48119 41886,48167 41880,48173
  Top Layer w22: 40177,46366 40200,46343 40236.25,46343 v1@40248.13,46354.87 ; v1@41879.87,40461.13 41868,40449.25 41868,40413 41891,40390 ; v1@41879.87,49948.87 41868,49960.75 41868,49997 41891,50020 ; v1@42822.87,42228.13 42834.75,42240 42871,42240 42894,42217 ; v1@42822.87,48133.13 42834.75,48145 42871,48145 42894,48122
  Top Layer w24: H1_D.72@39798,46412 39823,46387 39972,46387 39984,46375 40012.6,46375 40021.6,46366 40177,46366 ; v1(41880,40461) v1(41880,42208) ; 41880,42268 41880,46275 ; v1(41880,46335) v1(41880,48113) ; 41880,48173 v1@41880,49944 ; 41891,40390 41891,40234.6 41900,40225.6 41900,40197 41912,40185 41912,40069 ; 41891,50020 41891,50175.4 41900,50184.4 41900,50213 41912,50225 41912,50374 H1_K.72@41937,50399 ; 42894,42217 43049.4,42217 43058.4,42208 43087,42208 43099,42196 43248,42196 H1_F.72@43273,42171 ; 42894,48122 43049.4,48122 43058.4,48113 43087,48113 43099,48101 43248,48101 H1_G.72@43273,48076
  Bottom Layer w24: v1(40248,46355) 41860,46355 v1(41880,46335) ; v1(41880,42208) 41900,42228 v1(42823,42228) ; v1(41880,48113) 41900,48133 v1(42823,48133)
  other v1: 41880,49949
THERMAL_DQ: R13_A.1 R13_D.1 R13_E.1 R13_F.1 R13_G.1 | length 14180.1
  Top Layer w8: R13_D.1@39965.48,46732 39965.48,46739.67 40148.33,46739.67 v1(40173,46715) ; R13_E.1@42257,40178.48 42264.67,40178.48 42264.67,40361.33 v1(42240,40386) 42240,40395 42245,40400 42245,40458.78 42253,40466.78 42253,49943.22 42245,49951.22 42245,50010 42240,50015 v1(42240,50024) 42266,50050 42266,50231.52 42264.67,50231.52 R13_A.1@42260,50231.52 ; R13_A.1@42257,50231.52 R13_A.1@42260,50231.52 ; R13_A.1@42260,50231.04 R13_A.1@42260,50231.52 ; v1(42898,41868) 42922.67,41843.33 43105.52,41843.33 R13_F.1@43105.52,41851 ; v1(42898,47773) 42922.67,47748.33 43105.52,47748.33 R13_G.1@43105.52,47756
  Bottom Layer w8: v1(40173,46715) 40182,46715 40187,46720 40245.78,46720 40252.78,46727 42238,46727 v1(42260,46705) ; v1(42260,41838) 42278,41856 42818.22,41856 42825.22,41863 42884,41863 42889,41868 v1(42898,41868) ; v1(42260,47743) 42278,47761 42818.22,47761 42825.22,47768 42884,47768 42889,47773 v1(42898,47773)
UART_CDH_RX: R4_A.2 R4_D.2 R4_E.2 R4_F.2 R4_G.2 | length 13604.6
  Top Layer w8: R4_D.2@40117.15,47207 R4_D.2@40117.48,47207 40146,47207 40163,47190 40193,47190 v1(40198,47195) ; R4_E.2@42732,40330.48 42732,40359 42715,40376 42715,40406 v1(42720,40411) 42729,40420 42729,40468.57 42648,40549.57 42648,41307 v1(42656,41315) 42667.25,41326.25 42667.25,41642.71 42648,41661.96 42648,46572 v1(42656,46580) 42665,46589 42665,46915 42648,46932 42648,47212 v1(42656,47220) 42667.25,47231.25 42667.25,47547.71 42648,47566.96 42648,49867.12 42689.88,49909 42696.57,49909 42729,49941.43 42729,49990 v1(42720,49999) 42715,50004 42715,50034 42732,50051 R4_A.2@42732,50079.52 R4_A.2@42732,50079.85 ; v1(42873,41388) 42878,41393 42908,41393 42925,41376 R4_F.2@42953.52,41376 R4_F.2@42953.85,41376 ; v1(42873,47293) 42878,47298 42908,47298 42925,47281 R4_G.2@42953.52,47281 R4_G.2@42953.85,47281
  Bottom Layer w8: v1(40198,47195) 40207,47204 40252.41,47204 40259.41,47211 42395.65,47211 42664,46942.65 42664,46591 v1@42655,46582 ; v1(42656,41315) 42720,41379 42864,41379 v1(42873,41388) ; v1(42656,47220) 42720,47284 42864,47284 v1(42873,47293)
UART_CDH_TX: R6_A.2 R6_D.2 R6_E.2 R6_F.2 R6_G.2 | length 13434.4
  Top Layer w8: R6_D.2@40117.48,47107 40146,47107 40163,47090 40193,47090 v1(40198,47095) ; R6_E.2@42632,40330.48 42632,40359 42615,40376 42615,40406 v1(42620,40411) 42629,40420 42629,40469.88 42584,40514.88 42584,41427 v1(42592,41435) 42603.25,41446.25 42603.25,41616.2 42584,41635.45 42584,46692 42601,46709 42601,46886.75 42584,46903.75 42584,47332 v1(42592,47340) 42603.25,47351.25 42603.25,47521.2 42584,47540.45 42584,49895.12 42629,49940.12 42629,49990 v1(42620,49999) 42615,50004 42615,50034 42632,50051 R6_A.2@42632,50079.52 R6_A.2@42632,50079.85 ; v1(42873,41488) 42878,41493 42908,41493 42925,41476 R6_F.2@42953.52,41476 R6_F.2@42953.85,41476 ; v1(42873,47393) 42878,47398 42908,47398 42925,47381 R6_G.2@42953.52,47381 R6_G.2@42953.85,47381
  Bottom Layer w8: v1(40198,47095) 40207,47104 40252.41,47104 40259.41,47111 40398,47111 40406,47103 42413.14,47103 42600,46916.14 v1@42600,46704 ; v1@42592,41436 42628,41472 42811.59,41472 42818.59,41479 42864,41479 v1(42873,41488) ; v1@42592,47341 42628,47377 42811.59,47377 42818.59,47384 42864,47384 v1(42873,47393)
  other v1: 42592,46700
pads on no net: H1_D.0 H1_E.0 H1_F.0 H1_G.0 H1_K.0

## Polygon pours and split planes (outlines as drawn)
STR_GND_A on STR GND 1 "STR GND 1 Plane " (solid, remove dead copper, pour order 2): 39205,61417.32 39205,39370.08 43887,39370.08 43887,61417
STR_GND_A on STR GND 2 "STR GND 2 Plane " (solid, remove dead copper, pour order 4): 39205,61417 43887,61417 43887,39370 39205,39370 39205,61417

## Silkscreen, mask and mechanical layers (free items; w line width, h text height)
Top Overlay:
  text "SPI End / Termination" at 39909,50930 h60 r270
  text "51" at 40202,50287 h50 r270
  text "52" at 40155,50207 h50 r270
  text "1" at 42976,50133 h47 r270
  text "103" at 40110,50109 h50 r270
  text "2" at 42945,50087 h47 r270
  text "53" at 42907,50026 h47 r270
  text "104" at 40059,49976 h50 r270
  text "54" at 42841,49947 h47 r270
  text "49" at 40404,49937 h47 r270
  text "47" at 40492,49906 h47 r270
  text "45" at 40592,49906 h47 r270
  text "43" at 40692,49906 h47 r270
  text "41" at 40792,49906 h47 r270
  text "39" at 40892,49906 h47 r270
  text "37" at 40992,49906 h47 r270
  text "35" at 41092,49906 h47 r270
  text "33" at 41192,49906 h47 r270
  text "31" at 41292,49906 h47 r270
  text "29" at 41392,49906 h47 r270
  text "27" at 41492,49906 h47 r270
  text "25" at 41592,49906 h47 r270
  text "23" at 41692,49906 h47 r270
  text "21" at 41792,49906 h47 r270
  text "19" at 41892,49906 h47 r270
  text "17" at 41992,49906 h47 r270
  text "15" at 42092,49906 h47 r270
  text "13" at 42192,49906 h47 r270
  text "11" at 42292,49906 h47 r270
  text "9" at 42392,49906 h47 r270
  text "7" at 42492,49906 h47 r270
  text "5" at 42592,49906 h47 r270
  text "3" at 42692,49906 h47 r270
  text "103" at 42852,49795 h50
  text "104" at 42700,49794 h50
  text "52" at 43001,49791 h50
  text "51" at 43107,49758 h50
  text "49" at 42704,49602 h47
  text "47" at 42701,49515 h47
  text "45" at 42701,49415 h47
  text "43" at 42701,49315 h47
  text "41" at 42701,49215 h47
  text "39" at 42701,49115 h47
  text "37" at 42701,49015 h47
  text "35" at 42701,48915 h47
  text "33" at 42701,48815 h47
  text "31" at 42701,48715 h47
  text "29" at 42701,48615 h47
  text "CDH" at 42479,48608 h90 r270
  text "27" at 42701,48515 h47
  text "25" at 42701,48415 h47
  text "23" at 42701,48315 h47
  text "21" at 42701,48215 h47
  text "19" at 42701,48115 h47
  text "17" at 42701,48015 h47
  text "15" at 42701,47915 h47
  text "13" at 42701,47815 h47
  text "11" at 42711,47715 h47
  text "9" at 42727,47615 h47
  text "7" at 42726,47515 h47
  text "5" at 42723,47415 h47
  text "1" at 40162,47410 h47
  text "2" at 40210,47371 h47
  text "53" at 40268,47329 h47
  text "3" at 42721,47318 h47
  text "54" at 40331,47260 h47
  text "54" at 42710,47175 h47
  text "3" at 40291,47167 h47
  text "53" at 42752,47109 h47
  text "2" at 42844,47076 h47
  text "5" at 40291,47067 h47
  text "1" at 42896,47047 h47
  text "7" at 40291,46967 h47
  text "9" at 40291,46867 h47
  text "11" at 40291,46767 h47
  text "13" at 40291,46667 h47
  text "15" at 40291,46567 h47
  text "17" at 40291,46467 h47
  text "19" at 40291,46367 h47
  text "21" at 40291,46267 h47
  text "23" at 40291,46167 h47
  text "25" at 40291,46067 h47
  text "27" at 40291,45967 h47
  text "29" at 40291,45867 h47
  text "31" at 40291,45767 h47
  text "ADCS" at 40524,45756 h90 r90
  text "33" at 40291,45667 h47
  text "35" at 40291,45567 h47
  text "37" at 40291,45467 h47
  text "39" at 40291,45367 h47
  text "41" at 40291,45267 h47
  text "43" at 40291,45167 h47
  text "45" at 40291,45067 h47
  text "47" at 40291,44967 h47
  text "49" at 40260,44879 h47
  text "FlatSat PCB Halve 2 rev. 1 / 2016-12-11 MOVE-II / WARR LRT Jonis Kiesbye / Redmine Wiki:  /FlatSat" at 43350,44750 h60 r90
  text "51" at 39910,44677 h50
  text "52" at 39990,44630 h50
  text "103" at 40088,44585 h50
  text "104" at 40221,44534 h50
  text "104" at 42709,43971 h50
  text "103" at 42846,43932 h50
  text "52" at 42988,43902 h50
  text "51" at 43090,43858 h50
  text "49" at 42704,43697 h47
  text "47" at 42701,43610 h47
  text "45" at 42701,43510 h47
  text "43" at 42701,43410 h47
  text "41" at 42701,43310 h47
  text "39" at 42701,43210 h47
  text "37" at 42701,43110 h47
  text "35" at 42701,43010 h47
  text "33" at 42701,42910 h47
  text "S-Band" at 42468,42821 h90 r270
  text "31" at 42701,42810 h47
  text "29" at 42701,42710 h47
  text "27" at 42701,42610 h47
  text "25" at 42701,42510 h47
  text "23" at 42701,42410 h47
  text "21" at 42701,42310 h47
  text "19" at 42701,42210 h47
  text "17" at 42701,42110 h47
  text "15" at 42701,42010 h47
  text "13" at 42701,41910 h47
  text "11" at 42711,41810 h47
  text "9" at 42727,41710 h47
  text "7" at 42726,41610 h47
  text "5" at 42723,41510 h47
  text "3" at 42721,41413 h47
  text "54" at 42710,41270 h47
  text "53" at 42752,41204 h47
  text "2" at 42844,41171 h47
  text "1" at 42896,41142 h47
  text "1 PAYLOAD SS1 /   3 PAYLOAD SS2 /   5 PAYLOAD SS3 /   7 PAYLOAD SS4 /   9 PAYLOAD SS5 /  11 ADCS SS1 /  13 THERMAL DQ /  15 GPIO Reserve /  17 GPIO Reserve /  19 GPIO Reserve /  21 GPIO Reserve /  23 GPIO Reserve /  25 GPIO Reserve /  27 GPIO Reserve /  29 GPIO Reserve /  31 GPIO Reserve /  33 COM SBAND SS /  35 COM UHF/VHF SS /  37 COM SBAND INT /  39 COM UHF/VHF INT /  41 I2C DATA /  43 I2C CLK /  45 GND /  47 MISO /  49 MOSI /  51 SPI CLK" at 39616,40727 h60
  text "2 Reserve /   4 UART CDH /   6 UART CDH /   8 ADCS PDI /  10 ADCS PDI /  12 PWM2SMARD A /  14 PWM2SMARD B /  16 2SMARDsens A /  18 2SMARDsens B /  20 Toppanel PDI CLK /  22 Toppanel PDI DATA /  24 Reserve /  26 Reserve /  28 Reserve /  30 HCU /  32 5V USB CHG /  34 Reserve LF /  36 Reserve LF /  38 Reserve LF /  40 GND /  42 GND /  44 GND /  46 GND /  48 GND /  50 GND /  52 GND" at 40216,40727 h60
  text "53 Reserve /  55 Reserve /  57 Reserve /  59 Reserve /  61 GND /  63 SW3/BAT 2SMARD /  65 SW5/5V PL /  67 SW6/5V ADCS 5V#1 /  69 GND /  71 SW9/3V3 ADCS 3V3#1 /  73 GND /  75 12V Bus /  77 5V Bus /  79 3V3 Bus /  81 GND /  83 GND /  85 BAT POS /  87 PCM IN /  89 RBF SW /  91 SEP SW1 /  93 BCR OUT /  95 BCR OUT /  97 BatV Bus /  99 GND / 101 ADCS MISO / 103 ADCS MOSI" at 40916,40727 h60
  text "54 Reserve /  56 Reserve /  58 Reserve /  60 SW1/12V SBAND /  62 SW2/12V /  64 SW4/BAT 2SMARD /  66 GND /  68 SW7/5V ADCS 5V#2 /  70 SW8/3V3 /  72 SW10/3V3 ADCS 3V3#2 /  74 GND /  76 12V Bus /  78 5V Bus /  80 3V3 Bus /  82 GND /  84 GND /  86 BAT POS /  88 PCM IN /  90 RBF SW /  92 SEP SW2 /  94 BCR OUT /  96 BCR OUT /  98 BatV Bus / 100 GND / 102 ADCS CS / 104 ADCS SCLK" at 41616,40727 h60
  text "104" at 40093,40613 h50 r270
  text "54" at 42815,40578 h47 r270
  text "49" at 40393,40577 h47 r270
  text "47" at 40480,40577 h47 r270
  text "45" at 40580,40577 h47 r270
  text "43" at 40680,40577 h47 r270
  text "41" at 40780,40577 h47 r270
  text "39" at 40880,40577 h47 r270
  text "37" at 40980,40577 h47 r270
  text "35" at 41080,40577 h47 r270
  text "33" at 41180,40577 h47 r270
  text "31" at 41280,40577 h47 r270
  text "29" at 41380,40577 h47 r270
  text "27" at 41480,40577 h47 r270
  text "25" at 41580,40577 h47 r270
  text "23" at 41680,40577 h47 r270
  text "21" at 41780,40577 h47 r270
  text "19" at 41880,40577 h47 r270
  text "17" at 41980,40577 h47 r270
  text "15" at 42080,40577 h47 r270
  text "13" at 42180,40577 h47 r270
  text "11" at 42279,40568 h47 r270
  text "9" at 42380,40546 h47 r270
  text "5" at 42580,40546 h47 r270
  text "3" at 42681,40545 h47 r270
  text "7" at 42480,40543 h47 r270
  text "53" at 42876,40528 h47 r270
  text "103" at 40130,40479 h50 r270
  text "2" at 42905,40432 h47 r270
  text "1" at 42934,40373 h47 r270
  text "52" at 40164,40331 h50 r270
  text "51" at 40194,40222 h50 r270
  text "Monitor" at 41302,39530 h90
Mechanical 1:
  the board outline again, w10

## Text inside footprints (layer, text, board x,y; h text height)
H1_D: Top Overlay "1" at 39474,47433.03 h60 r270
H1_E: Top Overlay "1" at 42957.03,40037 h60 r180
H1_F: Top Overlay "1" at 43597,41149.97 h60 r90
H1_G: Top Overlay "1" at 43597,47054.97 h60 r90
H1_K: Top Overlay "1" at 42957.03,50724 h60 r180